# Altium PCB GL3520 4 Ports.PcbDoc (part 1 of 2)
Units mm, origin at the board's own origin, x right, y up, seen from the top; angles counter-clockwise.
Board outline 60 x 60 mm, 2 copper layers (Top Layer, Bottom Layer), stack 1.569 mm thick; 95 components, 85 nets, 418 pads, 185 vias.
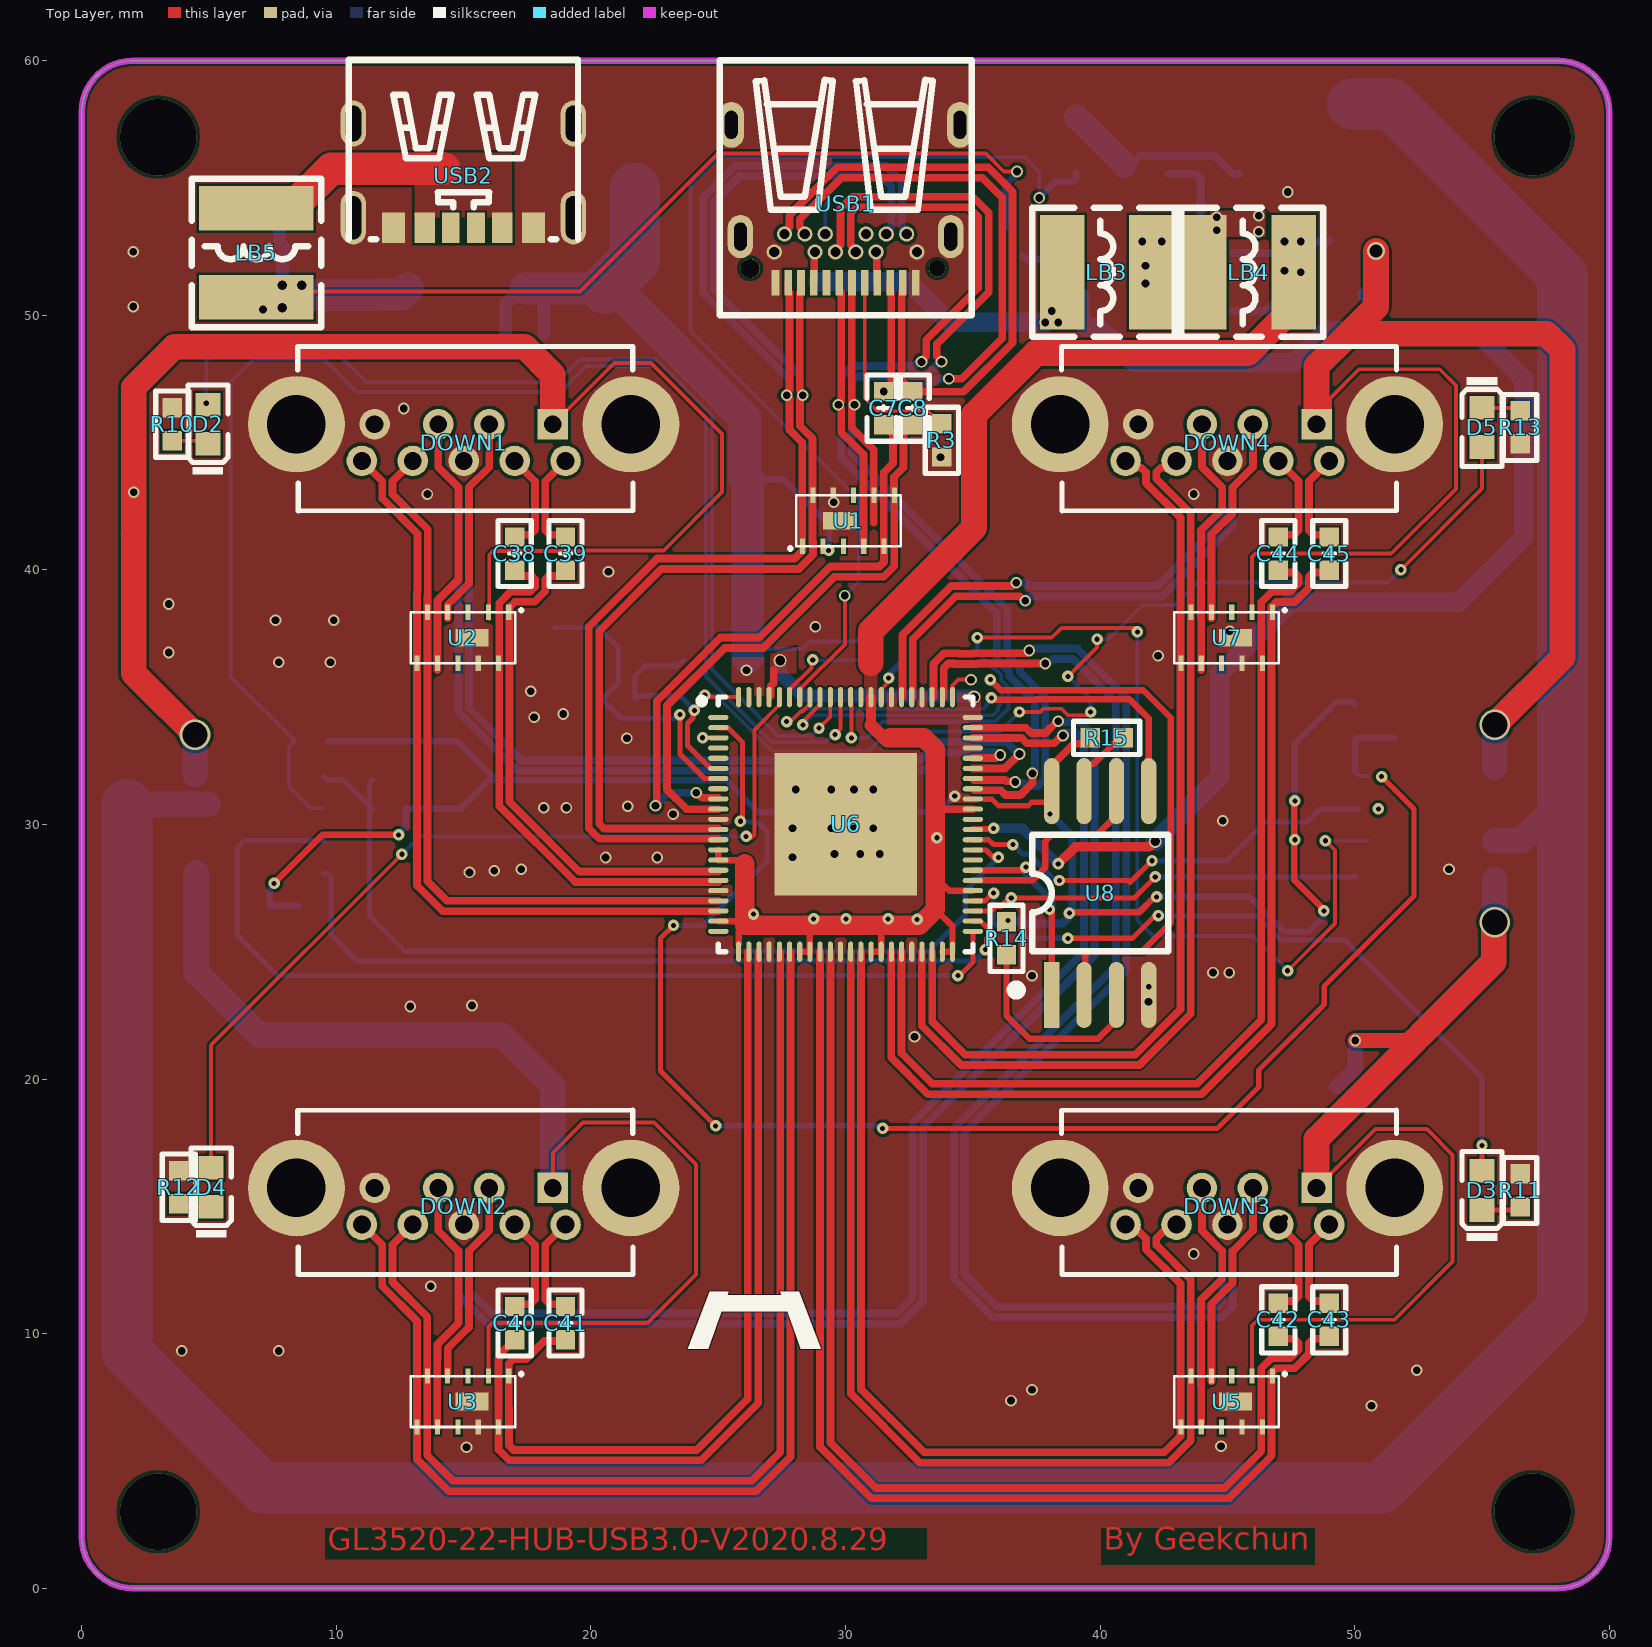
[diagram p0: Top Layer view]
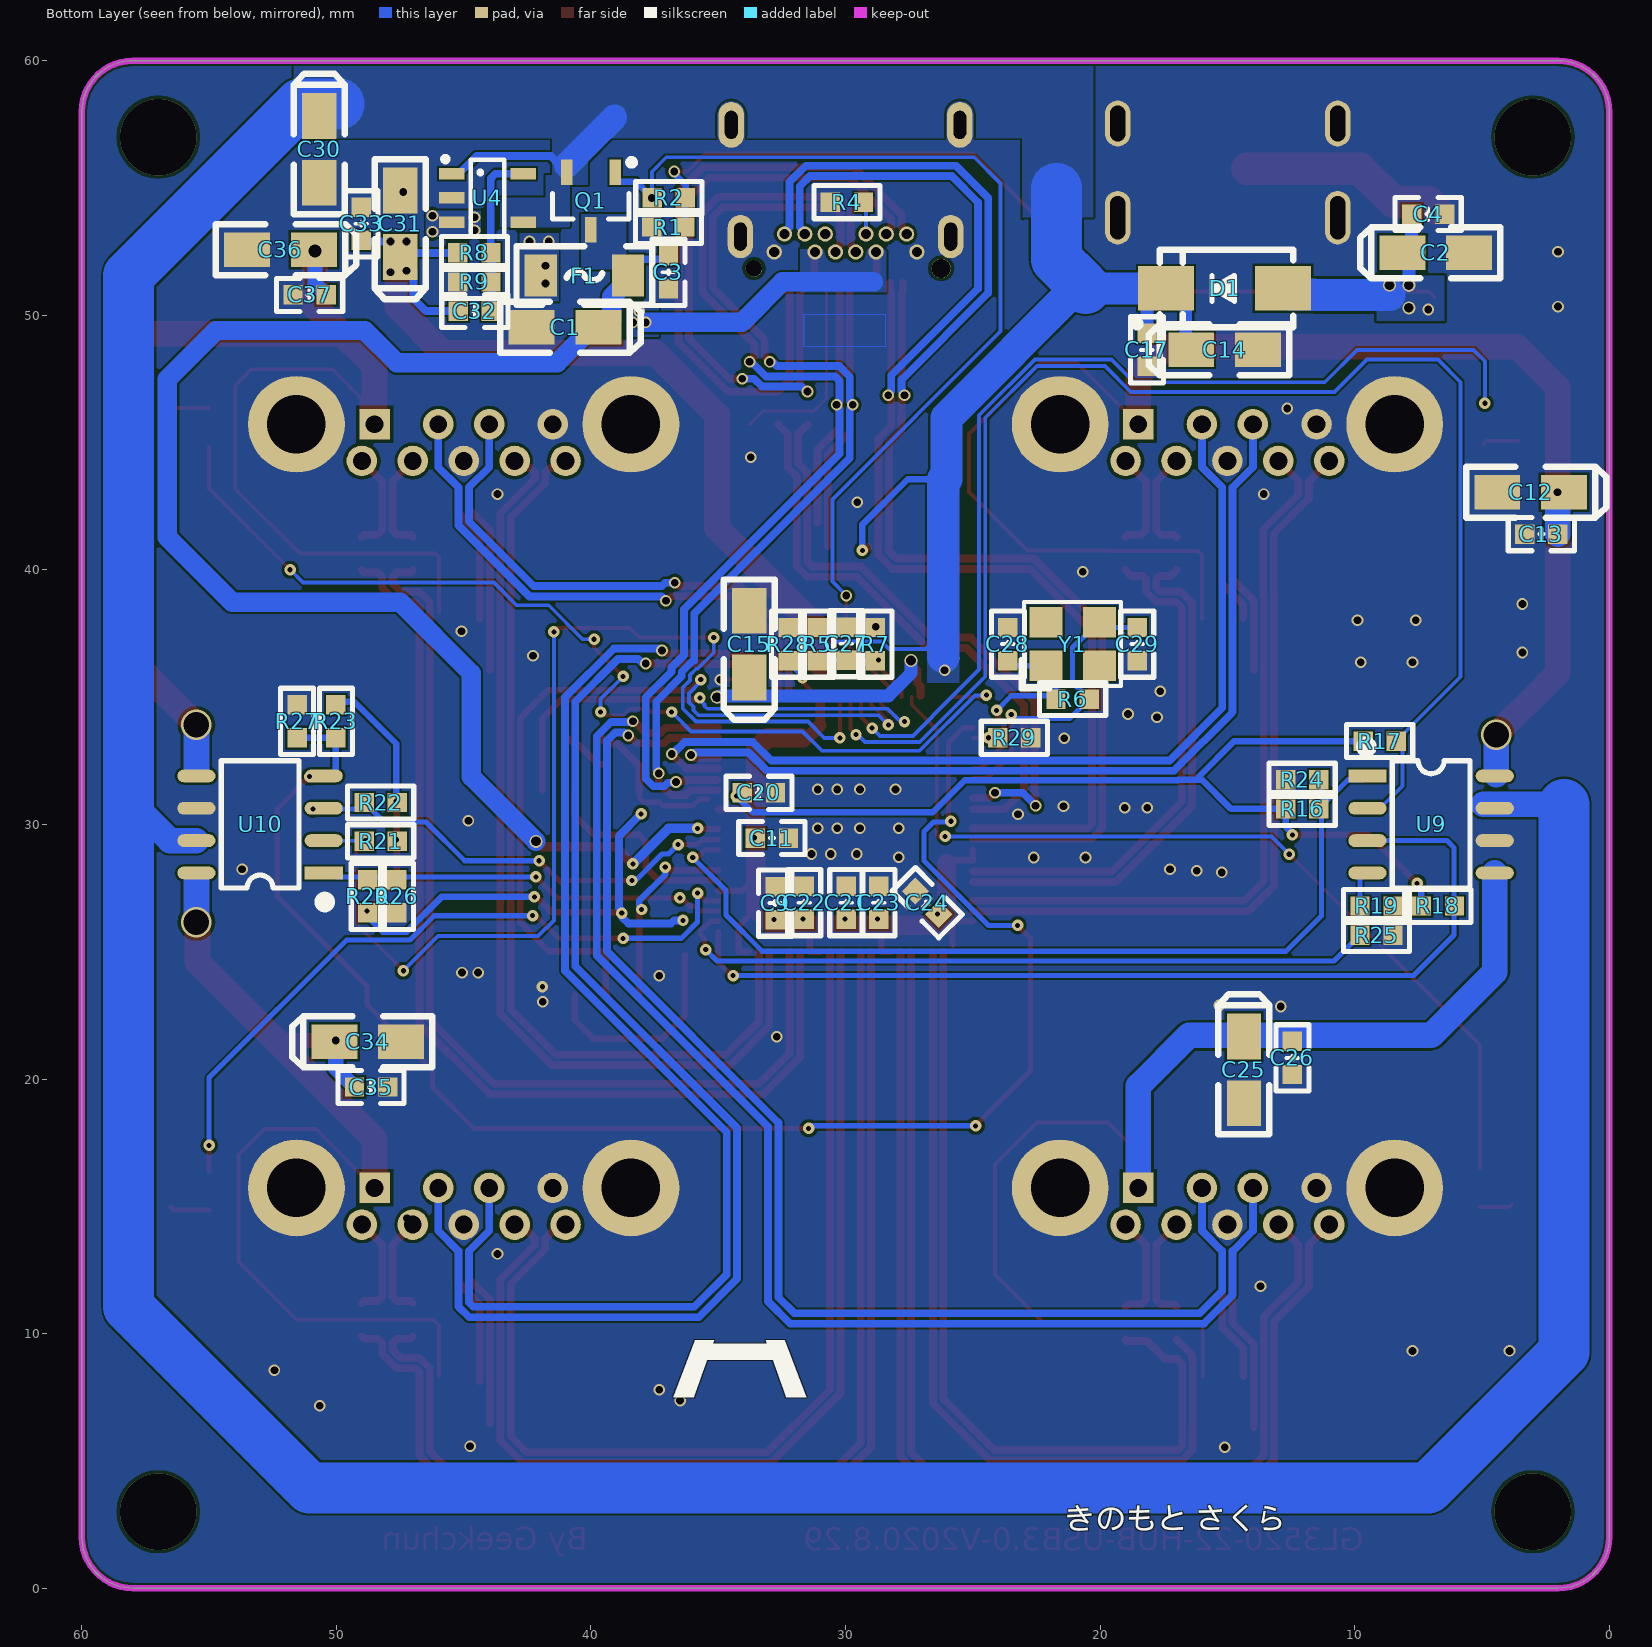
[diagram p1: Bottom Layer view, seen from below]
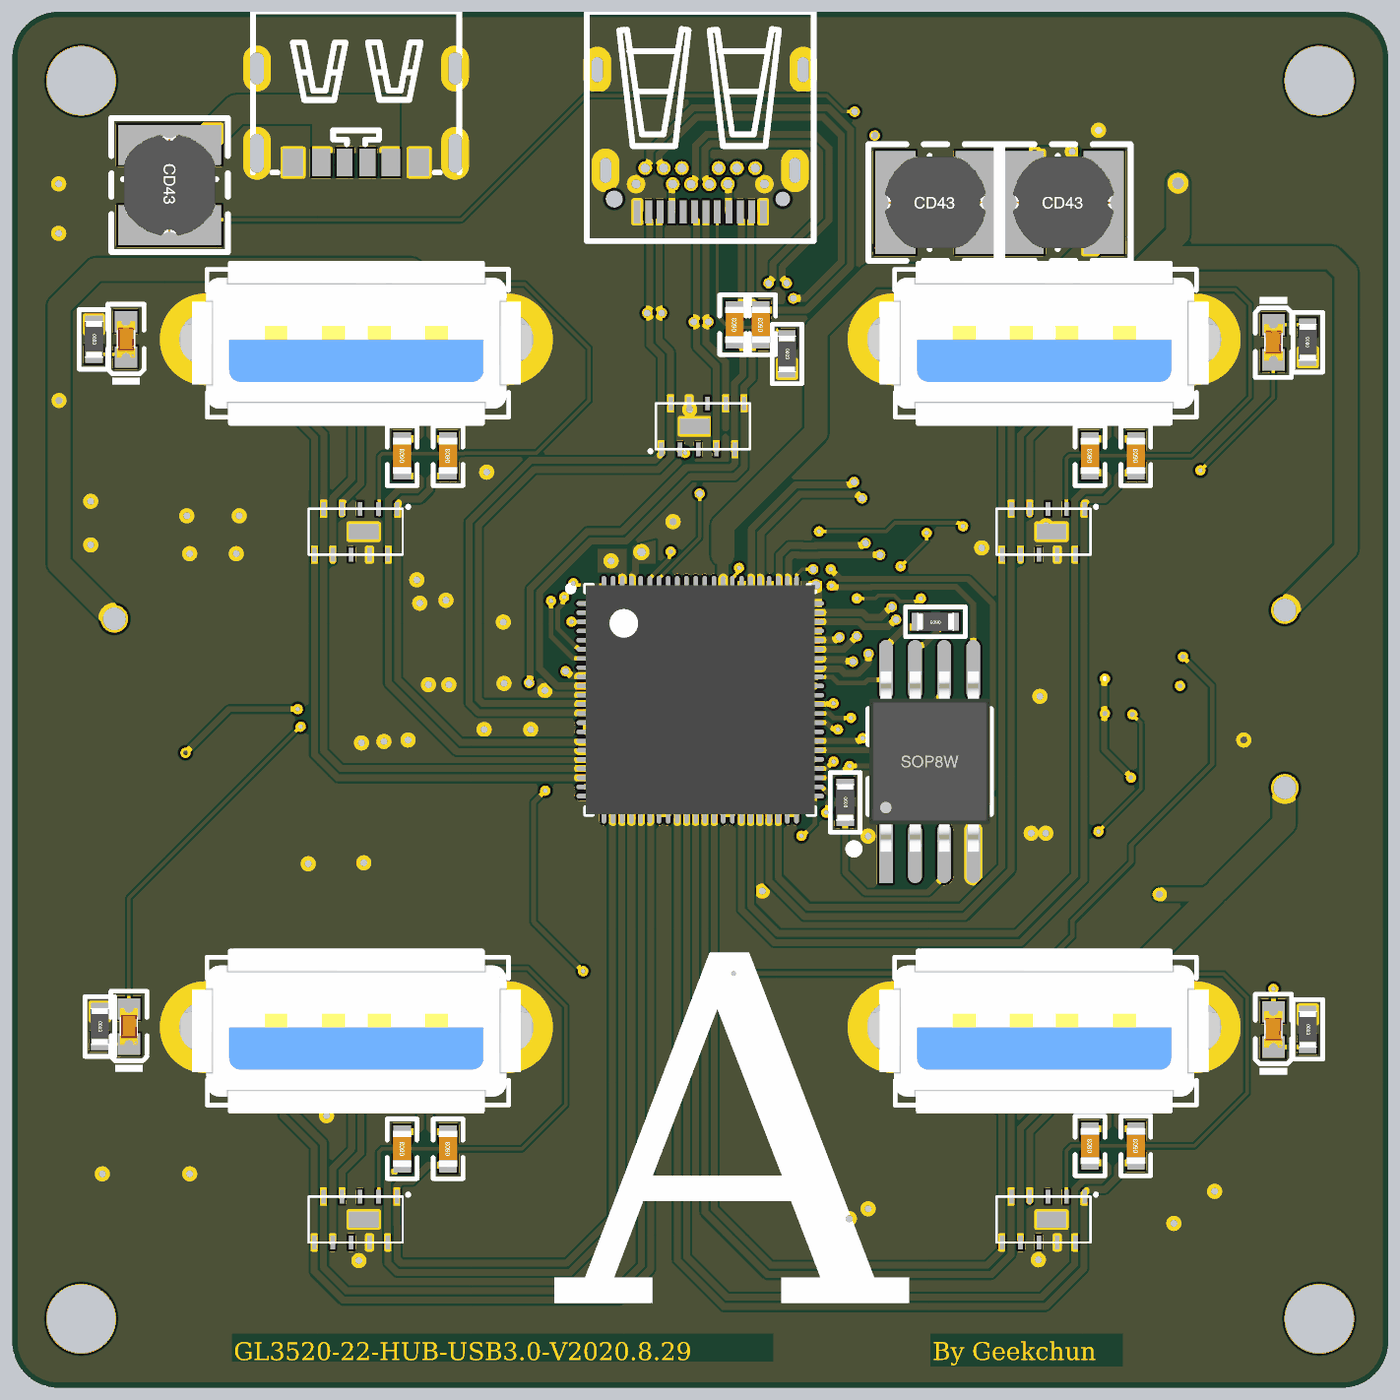
[diagram p3: 3D render of the assembled board from above, using the file's embedded part models]
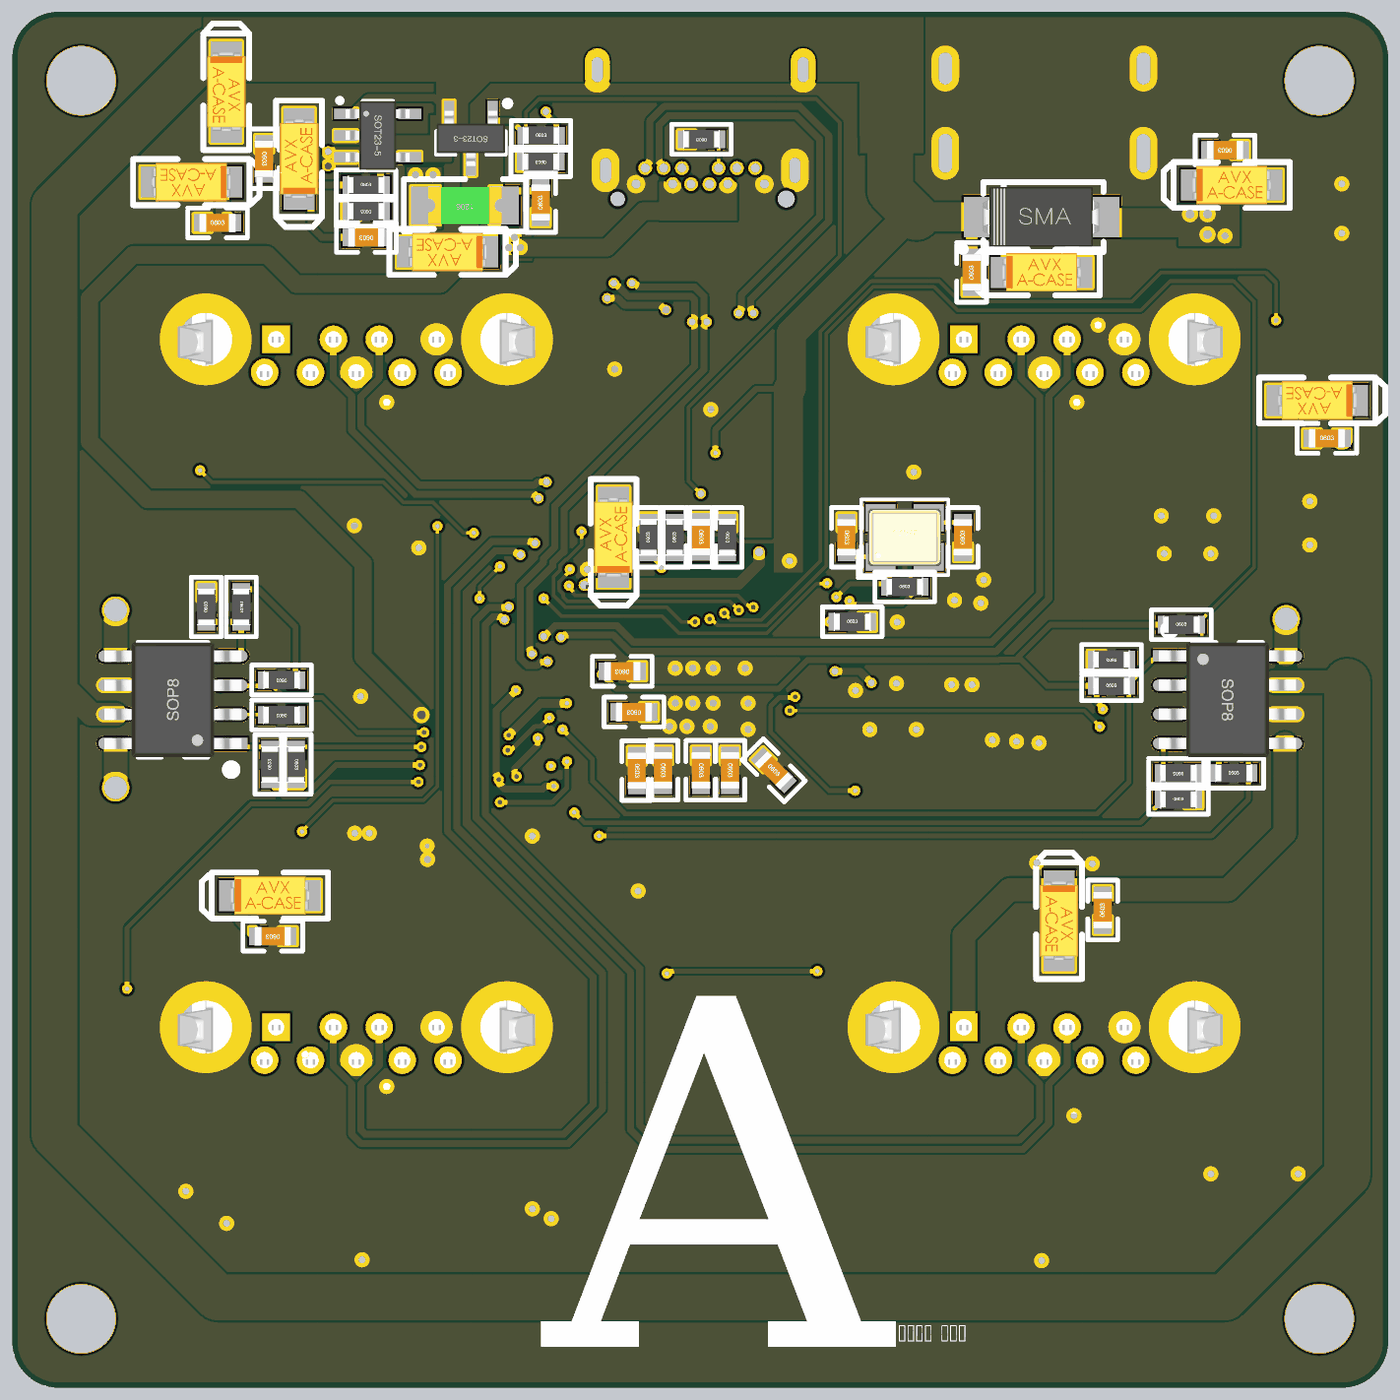
[diagram p4: 3D render of the assembled board from below, using the file's embedded part models]

## Layer stack, top to bottom
Top Solder: solder mask 0.0254, SM-001, Dk 4
Top Layer: signal copper 0.035
Dielectric 1: core 1.4986, Core-043, Dk 4.3
Bottom Layer: signal copper 0.035
Bottom Solder: solder mask 0.0254, SM-001, Dk 4

## Board outline
0,2 0,58 cw(c2,58) 2,60 58,60 cw(c58,58) 60,58 60,2 cw(c58,2) 58,0 2,0 cw(c2,2)

## Design rules (kind name [scope] priority, off if disabled: settings)
Clearance [All] p1: gap=0.089 ignorepadtopadclearanceinfootprint=TRUE except(0.127: Arc-THPad Arc-Via Track-THPad Track-Via SMDPad-THPad SMDPad-Via THPad-THPad THPad-Via THPad-Fill THPad-Poly THPad-Region THPad-Text THPad-Hole Via-Via Via-Fill Via-Poly Via-Region Via-Text Via-Hole)
DiffPairsRouting [All] p1: maxlimit=0.102 minlimit=0.102 mostfreqgap=0.102 toplayer_minwidth=0.152 toplayer_maxwidth=0.381 toplayer_prefwidth=0.305 bottomlayer_minwidth=0.152 bottomlayer_maxwidth=0.381 bottomlayer_prefwidth=0.305 maxuncoupledlength=12.7
PolygonConnect [All] p1: connectstyle=Direct reliefconductorwidth=0.254 reliefentries=4 polygonreliefangle="90 Angle" airgapwidth=0.254
RoutingVias [All] p1: holewidth=0.2 width=0.45 viastyle="Through Hole" minholewidth=0.2 minwidth=0.45 maxholewidth=0.711 maxwidth=1.27
SolderMaskExpansion [All] p1: expansion=0.102
Width [All] p1: maxlimit=3 minlimit=0.089 preferedwidth=0.152 minimp=50.000000 maximp=50.000000 favimp=50.000000
29 further rules are at their usual default settings.

## Classes and differential pairs
differential pair NewDifferentialPair20: +NetC45_2 -NetC44_2
differential pair NewDifferentialPair19: +NetC43_2 -NetC42_2
differential pair NewDifferentialPair18: +NetC41_2 -NetC40_2
differential pair NewDifferentialPair17: +NetC39_2 -NetC38_2
differential pair NewDifferentialPair16: +UP_RXP -UP_RXN
differential pair NewDifferentialPair15: +UP_TXP -UP_TXN
differential pair NewDifferentialPair14: +TX+ -TX-
differential pair NewDifferentialPair13: +UP_DP -UP_DN
differential pair NewDifferentialPair12: +DP4_TXP -DP4_TXN
differential pair NewDifferentialPair11: +DP4_RXP -DP4_RXN
differential pair NewDifferentialPair10: +DP4_DP -DP4_DN
differential pair NewDifferentialPair9: +DP3_TXP -DP3_TXN
differential pair NewDifferentialPair8: +DP3_RXP -DP3_RXN
differential pair NewDifferentialPair6: +DP2_TXP -DP2_TXN
differential pair NewDifferentialPair5: +DP2_RXP -DP2_RXN
differential pair NewDifferentialPair4: +DP2_DP -DP2_DN
differential pair NewDifferentialPair3: +DP1_TXP -DP1_TXN
differential pair NewDifferentialPair2: +DP1_RXP -DP1_RXN
differential pair NewDifferentialPair1: +DP1_DP -DP1_DN

## Components (designator, comment, footprint, x,y, rotation, side; value= is the part's Value field where it differs from the comment)
C1 "10uF" CASE-A_3216 41.021,49.53 r180 bottom
C2 "10uF" CASE-A_3216 6.818,52.451 r0 bottom
C3 "0.1uF" "C 0603_L" 36.957,51.689 r90 bottom
C4 "0.1uF" "C 0603_L" 7.112,53.975 r0 bottom
C7 "0.1uF" "C 0603_L" 31.496,46.355 r90 top
C8 "0.1uF" "C 0603_L" 32.639,46.355 r90 top
C9 "0.1uF" "C 0603_L" 32.766,26.909 r270 bottom
C11 "0.1uF" "C 0603_L" 32.893,29.464 r0 bottom
C12 "10uF" CASE-A_3216 3.088,43.053 r180 bottom
C13 "0.1uF" "C 0603_L" 2.667,41.402 r180 bottom
C14 "10uF" CASE-A_3216 15.113,48.641 r0 bottom
C15 "10uF" CASE-A_3216 33.782,37.084 r270 bottom
C17 "0.1uF" "C 0603_L" 18.161,48.641 r90 bottom
C20 "0.1uF" "C 0603_L" 33.401,31.242 r0 bottom
C21 "0.1uF" "C 0603_L" 29.972,26.924 r270 bottom
C22 "0.1uF" "C 0603_L" 31.623,26.924 r270 bottom
C23 "0.1uF" "C 0603_L" 28.702,26.924 r270 bottom
C24 "0.1uF" "C 0603_L" 26.797,26.924 r225 bottom
C25 "10uF" CASE-A_3216 14.351,20.36 r90 bottom
C26 "0.1uF" "C 0603_L" 12.446,20.828 r90 bottom
C27 "1uF" "C 0603_L" 29.972,37.099 r270 bottom
C28 "12pF" "C 0603_L" 23.622,37.084 r270 bottom
C29 "12pF" "C 0603_L" 18.542,37.084 r90 bottom
C30 "10uF" CASE-A_3216 50.673,56.515 r90 bottom
C31 "10uF" CASE-A_3216 47.498,53.594 r270 bottom
C32 "20pF" "C 0603_L" 44.562,50.165 r0 bottom
C33 "0.1uF" "C 0603_L" 49.022,53.594 r270 bottom
C34 "10uF" CASE-A_3216 48.768,21.463 r0 bottom
C35 "0.1uF" "C 0603_L" 48.641,19.685 r0 bottom
C36 "10uF" CASE-A_3216 52.197,52.578 r180 bottom
C37 "0.1uF" "C 0603_L" 51.054,50.8 r180 bottom
C38 "0.1uF" "C 0603_L" 17,40.64 r90 top
C39 "0.1uF" "C 0603_L" 19,40.64 r90 top
C40 "0.1uF" "C 0603_L" 17,10.414 r90 top
C41 "0.1uF" "C 0603_L" 19,10.414 r90 top
C42 "0.1uF" "C 0603_L" 47,10.541 r90 top
C43 "0.1uF" "C 0603_L" 49,10.541 r90 top
C44 "0.1uF" "C 0603_L" 47,40.64 r90 top
C45 "0.1uF" "C 0603_L" 49,40.64 r90 top
D1 "1N5822" SMA 15.113,51.054 r0 bottom
D2 "蓝灯 0603" 0603_LED_S1 4.953,45.72 r90 top
D3 "蓝灯 0603" 0603_LED_S1 55,15.621 r90 top
D4 "蓝灯 0603" 0603_LED_S1 5.08,15.748 r90 top
D5 "蓝灯 0603" 0603_LED_S1 55,45.593 r270 top
DOWN1 "USB3-A Device" "USB3.0-1 - duplicate" 15,45 r180 top
DOWN2 "USB3-A Device" "USB3.0-1 - duplicate" 15,15 r180 top
DOWN3 "USB3-A Device" "USB3.0-1 - duplicate" 45,15 r180 top
DOWN4 "USB3-A Device" "USB3.0-1 - duplicate" 45,45 r180 top
F1 "Fuse" "FU 1206" 40.259,51.562 r0 bottom
LB3 "10uH" CD43 40.259,51.689 r0 top
LB4 "10uH" CD43 45.847,51.689 r0 top
LB5 "10uH" CD43 6.858,52.451 r270 top
Q1 "AO3401A" SOT23-3L 40.005,54.483 r0 bottom
R1 "10K" "R 0603_L" 36.957,53.467 r0 bottom
R2 "10K" "R 0603_L" 36.942,54.61 r180 bottom
R3 "10K" "R 0603_L" 33.782,45.085 r270 top
R4 "10K" "R 0603_L" 29.945,54.444 r0 bottom
R5 "10K" "R 0603_L" 31.115,37.084 r90 bottom
R6 "1M" "R 0603_L" 21.082,34.925 r180 bottom
R7 "47K" "R 0603_L" 28.829,37.084 r270 bottom
R8 "100K" "R 0603_L" 44.577,52.451 r180 bottom
R9 "100K" "R 0603_L" 44.577,51.308 r0 bottom
R10 "2K" "R 0603_L" 3.556,45.72 r270 top
R11 "2K" "R 0603_L" 56.5,15.621 r270 top
R12 "2K" "R 0603_L" 3.81,15.748 r270 top
R13 "2K" "R 0603_L" 56.5,45.593 r90 top
R14 "10K" "R 0603_L" 36.322,25.527 r270 top
R15 "10K" "R 0603_L" 40.259,33.401 r180 top
R16 "100K" "R 0603_L" 12.065,30.607 r180 bottom
R17 "10K" "R 0603_L" 9.017,33.274 r180 bottom
R18 "10K" "R 0603_L" 6.731,26.797 r180 bottom
R19 "100K" "R 0603_L" 9.144,26.797 r0 bottom
R20 "100K" "R 0603_L" 48.768,27.178 r90 bottom
R21 "10K" "R 0603_L" 48.26,29.337 r0 bottom
R22 "10K" "R 0603_L" 48.26,30.861 r0 bottom
R23 "100K" "R 0603_L" 50.021,34.049 r270 bottom
R24 "100K" "R 0603_L" 12.065,31.75 r0 bottom
R25 "100K" "R 0603_L" 9.144,25.654 r180 bottom
R26 "100K" "R 0603_L" 47.625,27.178 r270 bottom
R27 "100K" "R 0603_L" 51.546,34.049 r90 bottom
R28 "100K" "R 0603_L" 32.258,37.084 r90 bottom
R29 "680R" "R 0603_L" 23.368,33.401 r180 bottom
U1 "AZ1065-06F" DFN4120P10E 32.085,41.256 r180 top
U2 "AZ1065-06F" DFN4120P10E 13,38 r0 top
U3 "AZ1065-06F" DFN4120P10E 13,8 r0 top
U4 "AUR9713" SOT23-5L 44.069,54.61 r270 bottom
U5 "AZ1065-06F" DFN4120P10E 43,8 r0 top
U6 "GL3520_QFN88_V094-1_22" QFN88 30,30 r0 top
U7 "AZ1065-06F" DFN4120P10E 43,38 r0 top
U8 "PM25LD512" SOP8W_M 40.005,27.305 r90 top
U9 "AIC1519N-0" SOP8_L 7,30 r180 bottom
U10 "AIC1519N-0" SOP8_L 53,30 r0 bottom
USB1 "Type-C" USB-C-SMD_U262-241N-4BV60 30,54.38 r180 top
USB2 "TYPE-C-6P" TYPE-C-SMD_TYPE-C-31-M-16 14.988,55.484 r180 top
Y1 "25MHZ" "OSC 3225-4P" 21.082,37.084 r180 bottom

## Footprints (in the part's own frame and the unit in brackets; to place one, negate y for a bottom-side part, rotate by r counter-clockwise, add the part's x,y. Pads: shape width x height; smd on the part's side, far side on the other; paste and mask are expansions set on the pad)
0603_LED_S1 [mm]
  rect 0.93x0.98 smd: A(0.77,0) K(-0.77,0)
  silkscreen extent -1.98,-0.79 1.54,0.79, body extent -0.8,-0.4 0.8,0.4, height 0.6
"C 0603_L" [mil] "无极性贴片电容"
  rect 30x30 smd: 1(-25.59,0) 2(25.59,0)
  silkscreen extent -51,-26 51,26, body extent -31,-16 31,16, height 32
CASE-A_3216 [mm]
  rect 1.8x1.35 smd: 1(1.31,0) 2(-1.31,0)
  silkscreen extent -2.54,-1 2.97,1, body extent -1.7,-0.84 1.7,0.84, height 1.71
CD43 [mm] "4.5*4*3.2mm（长宽高）"
  rect 1.75x4.5 smd: 1(-1.75,0) 2(1.75,0)
  silkscreen extent -2.92,-2.54 2.92,2.54, body extent -2.21,-2 2.21,2, height 3.3
DFN4120P10E [mm]
  rect 0.2x0.6 smd: 1(3.77,0.33) 2(2.97,0.33) 3(2.17,0.33) 4(1.37,0.33) 5(0.57,0.33) 6(0.17,-1.67) 7(0.97,-1.67) 8(1.77,-1.67) 9(2.57,-1.67) 10(3.37,-1.67)
  rect 1.3x0.7 smd: 11(2.32,-0.67)
  silkscreen extent -0.08,-1.67 4.26,0.42, body extent -0.07,-1.67 4.03,0.32, height 0.25
"FU 1206" [mil] "贴片保险丝"
  rect 50x65 smd: 1(-67.5,0) 2(67.5,0)
  silkscreen extent -105,-45 105,45, body extent -63,-32 63,32, height 34
"OSC 3225-4P" [mm] "3.2*2.5*0.7mm(长宽高)"
  rect 1.3x1.2 smd: 1(-1.05,-0.85) 2(1.05,-0.85) 3(1.05,0.85) 4(-1.05,0.85)
  silkscreen extent -2.03,-1.75 1.91,1.65, body extent -1.6,-1.25 1.6,1.25, height 0.7
QFN88 [mm] "PQFN, 88-Leads, Body 10.00x10.00mm, Pitch 0.40mm, Thermal Pad 5.60x5.60mm, IPC Medium Density"
  oval 0.8x0.2 smd: 1(-5,4.2) 2(-5,3.8) 3(-5,3.4) 4(-5,3) 5(-5,2.6) 6(-5,2.2) 7(-5,1.8) 8(-5,1.4) 9(-5,1) 10(-5,0.6) 11(-5,0.2) 12(-5,-0.2) 13(-5,-0.6) 14(-5,-1) 15(-5,-1.4) 16(-5,-1.8) 17(-5,-2.2) 18(-5,-2.6) 19(-5,-3) 20(-5,-3.4) 21(-5,-3.8) 22(-5,-4.2) 45(5,-4.2) 46(5,-3.8) 47(5,-3.4) 48(5,-3) 49(5,-2.6) 50(5,-2.2) 51(5,-1.8) 52(5,-1.4) 53(5,-1) 54(5,-0.6) 55(5,-0.2) 56(5,0.2) 57(5,0.6) 58(5,1) 59(5,1.4) 60(5,1.8) 61(5,2.2) 62(5,2.6) 63(5,3) 64(5,3.4) 65(5,3.8) 66(5,4.2)
  oval 0.2x0.8 smd: 23(-4.2,-5) 24(-3.8,-5) 25(-3.4,-5) 26(-3,-5) 27(-2.6,-5) 28(-2.2,-5) 29(-1.8,-5) 30(-1.4,-5) 31(-1,-5) 32(-0.6,-5) 33(-0.2,-5) 34(0.2,-5) 35(0.6,-5) 36(1,-5) 37(1.4,-5) 38(1.8,-5) 39(2.2,-5) 40(2.6,-5) 41(3,-5) 42(3.4,-5) 43(3.8,-5) 44(4.2,-5) 67(4.2,5) 68(3.8,5) 69(3.4,5) 70(3,5) 71(2.6,5) 72(2.2,5) 73(1.8,5) 74(1.4,5) 75(1,5) 76(0.6,5) 77(0.2,5) 78(-0.2,5) 79(-0.6,5) 80(-1,5) 81(-1.4,5) 82(-1.8,5) 83(-2.2,5) 84(-2.6,5) 85(-3,5) 86(-3.4,5) 87(-3.8,5) 88(-4.2,5)
  rect 5.6x5.6 smd: G1(0,0)
  silkscreen extent -5.77,-5 5,5, body extent -5,-5 5,5, height 1
"R 0603_L" [mil] "1/10W贴片电阻"
  rect 30x30 smd: 1(-25.59,0) 2(25.59,0)
  silkscreen extent -51,-26 51,26, body extent -31,-16 31,16, height 16
SMA [mm] "4.5x2.6*2.2mm（长宽高，不包括引脚）"
  rect 2.2x1.75 smd: 1(-2.3,0) 2(2.3,0)
  silkscreen extent -2.7,-1.52 3.56,1.52, body extent -2.52,-1.3 2.57,1.3, height 2.15
SOP8_L [mm] "5*6*1.8mm（长宽高）"
  rect 1.5x0.5 smd: 1(-2.5,1.905)
  oval 1.5x0.5 smd: 2(-2.5,0.635) 3(-2.5,-0.635) 4(-2.5,-1.905) 5(2.5,-1.905) 6(2.5,-0.635) 7(2.5,0.635) 8(2.5,1.905)
  silkscreen extent -2.69,-2.5 1.52,3.2, body extent -3,-2.5 3,2.5, height 1.9
SOP8W_M [mm] "5.3*8.3*1.8mm（长宽高）"
  rect 2.6x0.6 smd: 1(-4,1.905)
  oval 2.6x0.6 smd: 2(-4,0.635) 3(-4,-0.635) 4(-4,-1.905) 5(4,-1.905) 6(4,-0.635) 7(4,0.635) 8(4,1.905)
  silkscreen extent -3.94,-2.67 2.29,3.43, body extent -3.94,-2.64 3.94,2.64, height 1.9
SOT23-3L [mm] "3x1.3x1mm(长宽高)"
  rect 0.45x1 smd: 1(-0.95,-1.143) 2(0.95,-1.143) 3(0,1.125)
  silkscreen extent -1.72,-1.65 1.5,0.7, body extent -1.5,-1.2 1.5,1.2, height 1.05
SOT23-5L [mm] "3x1.6x1.1mm(长宽高)"
  rect 0.45x1 smd: 1(-0.95,-1.4) 2(0,-1.4) 3(0.95,-1.4) 4(0.95,1.4) 5(-0.95,1.4)
  silkscreen extent -1.6,-1.73 1.5,0.66, body extent -1.5,-1.4 1.5,1.4, height 1.15
TYPE-C-SMD_TYPE-C-31-M-16 [mm]
  oval 1x2.099 hole 0.6 slot 1.7 at 90 deg: 1(-4.32,1.65) 2(4.32,1.65)
  oval 1x1.799 hole 0.6 slot 1.4 at 90 deg: 3(-4.32,-2.05) 4(4.32,-2.05)
  rect 0.7x1.2 smd: A5(-0.5,2.05) B5(0.5,2.05)
  rect 0.8x1.2 smd: A9(1.52,2.05) B9(-1.52,2.05)
  rect 0.9x1.2 smd: A12(2.75,2.05) B12(-2.75,2.05)
  silkscreen extent -4.5,-4.55 4.5,2.49
"USB3.0-1 - duplicate" [mm] "Connector; USB1.1, Type A, Thru-Hole; 4 Position; Vertical"
  rect 1.2x1.2 hole 0.7: 1(-3.5,-0.72)
  round 1.2 hole 0.7: 2(-1,-0.72) 3(1,-0.72) 4(3.5,-0.72) 5(4,0.72) 6(2,0.72) 7(0,0.72) 8(-2,0.72) 9(-4,0.72)
  round 3.8 hole 2.3: G1(-6.57,-0.72) G2(6.57,-0.72)
  silkscreen extent -6.64,-3.77 6.52,2.68, body extent -7.8,-4.15 7.8,3.05, height 15
USB-C-SMD_U262-241N-4BV60 [mm]
  oval 1x1.699 hole 0.5 slot 1.1 at 90 deg: 1(-4.13,1.29) 4(4.13,1.29)
  oval 1x1.799 hole 0.5 slot 1.1 at 90 deg: 2(-4.49,-3.1) 3(4.49,-3.1)
  rect 0.3x1 smd: A1(-2.75,3.1) A2(-2.25,3.1) A3(-1.75,3.1) A4(-1.25,3.1) A5(-0.75,3.1) A6(-0.25,3.1) A7(0.25,3.1) A8(0.75,3.1) A9(1.25,3.1) A10(1.75,3.1) A11(2.25,3.1) A12(2.75,3.1)
  round 0.6 hole 0.4: B1(2.8,1.89) B2(2.4,1.19) B3(1.6,1.19) B4(1.2,1.89) B5(0.8,1.19) B6(0.4,1.89) B7(-0.4,1.89) B8(-0.8,1.19) B9(-1.2,1.89) B10(-1.6,1.19) B11(-2.4,1.19) B12(-2.8,1.89)
  round 0.65 hole 0.65 unplated: ""(-3.6,2.54)
  round 0.75 hole 0.75 unplated: ""(3.75,2.54)
  silkscreen extent -4.95,-5.63 4.95,4.37

## Part data
C1 C2 C14 C15: library part "3216 10uF (106) 10% 16V", "钽电容1206", Package=3216, SuppliersPartNumber=C7171, ComponentLink1Description=供应, ComponentLink1URL=http://www.szlcsc.com/product/details_7643.html, Supplier=LC
C3 C4 C7 C8 C9 C11 C13 C17 C20 C21 C22 C23 C24 C26 C27 C28 C29 C32 C33 C35 C37 C38 C39 C40 C41 C42 C43 C44 C45: library part "0603 2.2uF (225) 10% 16V", "贴片电容", Package=0603, SuppliersPartNumber=C23630, ComponentLink1Description=供应, ComponentLink1URL=http://www.szlcsc.com/product/details_24366.html, Supplier=LC
C12 C25 C30 C31 C34 C36: library part "3216 10uF (106) 10% 16V", "钽电容", Package=3216, SuppliersPartNumber=C7171, ComponentLink1Description=供应, ComponentLink1URL=http://www.szlcsc.com/product/details_7643.html, Supplier=LC
D1: library part "Diode 1N5400", "3 Amp General Purpose Rectifier", ComponentLink1Description="Manufacturer Link", ComponentLink1URL=http://www.fairchildsemi.com/, ComponentLink2Description=Datasheet, ComponentLink2URL=http://www.fairchildsemi.com/ds/1N%2F1N5400.pdf, DatasheetVersion=1998, LatestRevisionDate=17-Jul-2002, LatestRevisionNote="Re-released for DXP Platform.", PackageDescription="Diode, Axial; Body 9.5 x 5.6 mm (LxDia. max), Lead Dia. 1.32 mm (max)", PackageReference=DO-201AD, PackageVersion=Aug-1999, Published=8-Jun-2000, Publisher="Altium Limited"
D2 D3 D4 D5: library part "0603 蓝灯", "发光二极管", Package=0603, SuppliersPartNumber=C72041, ComponentLink1Description=供应, ComponentLink1URL=http://www.szlcsc.com/product/details_73150.html, Supplier=LC
DOWN1 DOWN2 DOWN3 DOWN4: library part USB3-A_5, PCB Footprint=CND-USB3A-A
F1: Manufacturer="TE Connectivity", PartNumber=NANOSMDC020F-2, Supplier Part Number 1=NANOSMDC020F-2CT-ND, ComponentLink1Description="Datasheet URL", ComponentLink1URL=http://www.te.com/commerce/DocumentDelivery/DDEController?Action=srchrtrv&DocNm=SCD25536&DocType=Customer+Drawing&DocLang=English, CompType=Fuse, LatestRevisionDate=2015-11-23, MountType=SMT, PackageReference=1206, Published=2009-03-05, Publisher="Texas Instruments", ROHS=Y, Rtyp_Ohm=1.875, Supplier 1=Digi-Key, Supplier 2=Mouser, Supplier 3=Farnell, Supplier Part Number 2=650-NANOSMDC020F-2, Supplier Part Number 3=1345939, SymbolCreator=a0412235, SymbolVersion=2013-04-02, VDC_V=24
LB3 LB4 LB5: library part L-0603, PCB Footprint=LBS-0603
Q1: library part CMP-2000-05778-1, "P-Channel MOSFET, 30 V, 4 A, -55 to 150 degC, 3-Pin SOT-23-3L, RoHS, Tape and Reel", Continuous Drain Current=4A, Drain-Source On-Volt=30V, Frequency (Max)=NotRequiredMHz, Gate-Source Voltage (Max)=?12V, Manufacturer="Alpha and Omega", Operating Temp Range=-55Cto150C, Operating Temperature Classification=Military, Output Power (Max)=NotRequiredW, Package Description="3-Pin Small Outline Transistor, Body 2.95 x 1.6 mm, Pitch 0.95 mm", Package Reference=SOT-23-3L, Package Type=SOT-23, Power Dissipation=1.4W, Power Gain=NotRequireddB, Channel Mode=Enhancement, Datasheet URL=http://www.aosmd.com/res/data_sheets/AO3401A.pdf, Datasheet Version="Rev. 3, 03/2011", Drain Current (Max)=4A, Drain Efficiency=NotRequired%, Drain-Source On-Res=0.044ohm, Manufacturer URL=http://www.aosmd.com/, Mounting=SurfaceMount, Mounting Technology=SurfaceMount, Noise Figure=NotRequireddB, Number of  Elements=1, Package URL=http://www.aosmd.com/res/packaging_information/SOT-23-3L.pdf, Pin Count=3, Polarity=P, Rad Hardened=No, Type=PowerMOSFET
R1 R2 R3 R4 R5 R6 R7 R8 R9 R10 R11 R12 R13 R14 R15 R16 R17 R18 R19 R20 R21 R22 R23 R24 R25 R26 R27 R28 R29: library part RES
U1 U2 U3 U5 U7: "晶炎AZ1065-06F.R7G DFN4120 丝印119 ESD/TVS静电保护二极管"
U4: library part AUR9705_3, PCB Footprint=I-TSOT23-5P-2_9x1_6x0_95A
U8: library part CAT25C128/256, PCB Footprint=I-SOP8-1_27A
U9 U10: library part AIC1526-SOP, PCB Footprint=I-SOP8-1_27A
USB2: library part TYPE-C-31-M-17, "Connector", Manufacturer_Name="Korean Hroparts Elec", Arrow Part Number=TYPE-C-31-M-17, Datasheet Link=https://datasheet.lcsc.com/szlcsc/1903211732_Korean-Hroparts-Elec-TYPE-C-31-M-17_C283540.pdf, HEIGHT=3.26mm, Manufacturer_Part_Number=TYPE-C-31-M-17
Y1: library part "SMD-3225_4P  25MHZ 12PF 10PPM", "贴片晶振", Package=SMD-3225_4P, SuppliersPartNumber=C9006, ComponentLink1Description=供应, ComponentLink1URL=http://www.szlcsc.com/product/details_9526.html, Supplier=LC

## Via types
v1: diameter 0.457, hole 0.305, Top Layer to Bottom Layer, 105 vias
v2: diameter 0.45, hole 0.2, Top Layer to Bottom Layer, 65 vias
v3: diameter 0.508, hole 0.381, Top Layer to Bottom Layer, 6 vias
v4: diameter 3, hole 3, Top Layer to Bottom Layer, 4 vias
v5: diameter 1.2, hole 1, Top Layer to Bottom Layer, 3 vias
v6: diameter 0.7, hole 0.5, Top Layer to Bottom Layer, 1 vias
v7: diameter 0.45, hole 0.3, Top Layer to Bottom Layer, 1 vias

## Nets (pads, with @x,y where several pads share a name; then routed paths per layer and width w, separated by ;. In a path a pad name is that pad's centre, name@x,y a point inside that pad or via, vN(x,y) a via of type N, cw(c..) or ccw(c..) an arc to the next point about the centre after c; other vN are vias at no path point)
CC1: R3.1 USB1.A5 | length 8
  Top Layer w0.127: USB1.A5@30.75,51.28 30.75,46.73 31.242,46.238 33.248,46.238 R3.1@33.767,45.72
CC2: R4.1 USB1.B5 | length 1.3
  Bottom Layer w0.152: USB1.B5@29.2,53.19 29.2,54.349 R4.1@29.295,54.444
DP1_DN: DOWN1.2 U2.4 U6.61 | length 44.8
  Top Layer w0.305: U2.4@14.376,38.1 14.376,38.626 15.203,39.453 15.203,43.24 16,44.036 DOWN1.2@16,45.72 ; U6.61@35,32.2 35,32.194 35.168,32.194 35.175,32.2 36.264,32.2 v1(36.83,32.766)
  Bottom Layer w0.305: DOWN1.2@16,45.72 16,44.036 15.203,43.24 15.203,34.581 17.272,32.512 32.921,32.512 33.643,33.234 36.328,33.234 36.796,32.766 v1(36.83,32.766)
DP1_DP: DOWN1.3 U2.7 U6.62 | length 45.7
  Top Layer w0.305: U2.7@13.97,36.068 13.97,38.795 14.797,39.622 14.797,43.24 14,44.036 DOWN1.3@14,45.72 ; U6.62@35,32.606 U6.62@35,32.6 35.006,32.606 35.911,32.606 36.03,32.726 v1(36.072,32.726)
  Bottom Layer w0.305: DOWN1.3@14,45.72 14,44.036 14.797,43.24 14.797,34.412 17.104,32.106 33.089,32.106 33.811,32.828 35.929,32.828 36.03,32.726 v1(36.072,32.726)
DP1_RXN: DOWN1.5 U2.6 U6.20 | length 29.8
  Top Layer w0.305: DOWN1.5@11,44.28 11.797,43.483 11.797,42.807 13.183,41.421 13.183,39.139 13.17,39.126 U2.6@13.17,36.33 13.17,27.597 14.173,26.594 U6.20@25,26.594
DP1_RXP: DOWN1.6 U2.5 U6.19 | length 29.2
  Top Layer w0.305: DOWN1.6@13,44.28 12.203,43.483 12.203,42.975 13.589,41.589 13.589,38.971 13.576,38.958 13.576,38.33 13.576,27.765 14.342,27 U6.19@25,27
DP1_TXN: C38.1 U2.10 U6.17 | length 20.7
  Top Layer w0.305: C38.1@17,39.99 17.229,39.761 17.66,39.761 17.797,39.625 17.797,39.33 17.618,39.152 16.851,39.152 16.391,38.693 16.391,36.33 16.391,30.726 19.376,27.741 U6.17@25,27.741
DP1_TXP: C39.1 U2.1 U6.16 | length 20.1
  Top Layer w0.305: C39.1@19,39.99 18.771,39.761 18.34,39.761 18.203,39.625 18.203,39.162 17.787,38.745 17.019,38.745 16.798,38.524 16.798,38.33 16.798,30.894 19.544,28.148 U6.16@25,28.148
DP2_DN: DOWN2.2 U3.4 U6.64 | length 59.9
  Top Layer w0.305: U3.4@14.37,8.33 14.376,8.336 14.376,9.416 15.203,10.243 15.203,13.24 16,14.036 DOWN2.2@16,15.72 ; U6.64@35,33.4 36.914,33.4 37.122,33.192 38.196,33.192 38.5,33.496 v1(38.541,33.496)
  Bottom Layer w0.305: DOWN2.2@16,15.72 16,14.036 15.203,13.24 15.203,11.684 16.092,10.795 32.004,10.795 32.639,11.43 32.639,18.288 39.37,25.019 39.37,33.293 39.049,33.614 38.7,33.614 38.583,33.496 v1(38.541,33.496)
DP2_DP: DOWN2.3 U3.7 U6.65 | length 64
  Top Layer w0.305: U3.7@13.97,6.33 13.964,6.336 13.964,9.011 13.97,9.017 13.97,9.585 14.797,10.412 14.797,13.24 14,14.036 DOWN2.3@14,15.72 ; U6.65@35,33.8 37.08,33.8 37.288,33.592 37.856,33.592 38.313,34.049 v1(38.354,34.049)
  Bottom Layer w0.305: DOWN2.3@14,15.72 14,14.036 14.797,13.24 14.797,11.516 15.924,10.389 32.172,10.389 33.045,11.262 33.045,18.12 39.776,24.851 39.776,33.461 39.218,34.02 38.383,34.02 v1(38.354,34.049)
DP2_RXN: DOWN2.5 U3.6 U6.28 | length 45.7
  Top Layer w0.305: DOWN2.5@11,14.28 11.797,13.483 11.797,11.859 13.164,10.492 13.164,6.33 13.164,5.058 14.411,3.81 26.483,3.81 27.838,5.166 U6.28@27.838,25
DP2_RXP: DOWN2.6 U3.5 U6.27 | length 44.4
  Top Layer w0.305: DOWN2.6@13,14.28 12.203,13.483 12.203,12.027 13.57,10.66 13.57,8.33 13.57,5.226 14.58,4.216 26.314,4.216 27.432,5.334 U6.27@27.432,25
DP2_TXN: C40.1 U3.10 U6.25 | length 33.6
  Top Layer w0.305: C40.1@17,9.764 16.402,9.166 16.402,9.036 16.364,8.998 16.364,6.336 U3.10@16.37,6.33 16.37,5.438 16.787,5.021 24.325,5.021 26.568,7.264 U6.25@26.568,25
DP2_TXP: C41.1 U3.1 U6.24 | length 33.7
  Top Layer w0.305: C41.1@19,9.764 18.943,9.707 18.162,9.707 17.453,8.998 16.949,8.998 16.77,8.819 U3.1@16.77,8.33 16.77,7.096 16.776,7.089 16.776,5.606 16.955,5.428 24.157,5.428 26.162,7.433 U6.24@26.162,25
DP3_DN: DOWN3.2 U5.4 U6.68 | length 59.1
  Top Layer w0.305: U6.68@33.859,35 33.859,36.143 34.037,36.322 34.272,36.322 34.294,36.3 35.175,36.3 35.197,36.322 v1(37.846,36.322) ; U5.4@44.37,8.128 44.37,11.156 45.203,11.989 45.203,13.24 46,14.036 DOWN3.2@46,15.72
  Bottom Layer w0.305: v1(37.846,36.322) 37.875,36.351 37.996,36.351 38.144,36.5 38.938,36.5 40.615,34.823 40.615,24.425 34.265,18.075 34.265,12.151 35.773,10.643 44.787,10.643 45.203,11.059 45.203,13.24 46,14.036 DOWN3.2@46,15.72
DP3_DP: DOWN3.3 U5.7 U6.69 | length 60.7
  Top Layer w0.305: U6.69@33.452,35 33.452,36.312 33.869,36.728 34.44,36.728 34.462,36.707 35.007,36.707 35.029,36.728 37.068,36.728 37.17,36.83 v1(37.211,36.83) ; U5.7@43.97,6.478 43.97,7.953 43.964,7.96 43.964,8.296 43.964,11.325 44.797,12.158 44.797,13.24 44,14.036 DOWN3.3@44,15.72
  Bottom Layer w0.305: v1(37.211,36.83) 37.252,36.83 37.328,36.906 39.107,36.906 41.021,34.992 41.021,24.257 34.671,17.907 34.671,12.319 35.941,11.049 44.618,11.049 44.797,11.228 44.797,13.24 44,14.036 DOWN3.3@44,15.72
DP3_RXN: DOWN3.5 U5.6 U6.35 | length 40.4
  Top Layer w0.305: U6.35@30.607,25 30.607,7.814 33.087,5.334 42.52,5.334 43.155,5.969 43.155,6.33 43.155,11.957 41.797,13.315 41.797,13.736 41.618,13.914 41.608,13.914 41.242,14.28 DOWN3.5@41,14.28
DP3_RXP: DOWN3.6 U5.5 U6.34 | length 41.7
  Top Layer w0.305: U6.34@30.2,25 30.201,7.645 32.918,4.928 42.688,4.928 43.561,5.801 43.561,8.33 43.561,12.125 42.203,13.483 42.203,13.736 42.382,13.914 42.392,13.914 42.758,14.28 DOWN3.6@43,14.28
DP3_TXN: C42.1 U5.10 U6.32 | length 43.7
  Top Layer w0.305: U6.32@29.406,25 29.406,5.712 31.182,3.937 44.891,3.937 46.33,5.375 46.33,6.33 46.33,8.631 46.741,9.042 47.471,9.042 47.797,9.368 47.797,9.621 47.618,9.799 47.092,9.799 C42.1@47,9.891
DP3_TXP: C43.1 U5.1 U6.31 | length 45.1
  Top Layer w0.305: U6.31@29,25 29,5.544 31.013,3.531 45.06,3.531 46.736,5.207 46.736,8.457 46.77,8.491 46.915,8.636 47.639,8.636 48.203,9.2 48.203,9.621 48.382,9.799 48.909,9.799 C43.1@49,9.891
DP4_DN: DOWN4.2 U6.71 U7.4 | length 29.4
  Top Layer w0.305: U6.71@32.639,35 32.639,37.271 34.331,38.964 36.841,38.964 37.016,38.789 v1(37.057,38.789) ; U7.4@44.37,38.1 U7.4@44.37,38.33 44.37,41.382 45.203,42.215 45.203,43.24 46,44.036 DOWN4.2@46,45.72
  Bottom Layer w0.305: v1(37.057,38.789) 37.224,38.956 42.417,38.956 45.203,41.742 45.203,43.24 46,44.036 DOWN4.2@46,45.72
DP4_DP: DOWN4.3 U6.72 U7.7 | length 31.4
  Top Layer w0.305: U6.72@32.233,35 32.233,37.44 34.163,39.37 36.537,39.37 36.664,39.497 v1(36.706,39.497) ; U7.7@43.97,36.068 U7.7@43.97,36.33 43.97,38.155 43.964,38.162 43.964,41.551 44.797,42.384 44.797,43.24 44,44.036 DOWN4.3@44,45.72
  Bottom Layer w0.305: v1(36.706,39.497) 37.089,39.497 37.224,39.362 42.249,39.362 44.797,41.91 44.797,43.24 44,44.036 DOWN4.3@44,45.72
DP4_RXN: DOWN4.5 U6.42 U7.6 | length 36.4
  Top Layer w0.305: U6.42@33.4,25 33.401,22.259 34.705,20.955 41.377,20.955 43.155,22.733 43.155,36.33 43.155,42.056 41.797,43.413 41.797,43.834 41.618,44.013 41.509,44.013 41.242,44.28 DOWN4.5@41,44.28
DP4_RXP: DOWN4.6 U6.41 U7.5 | length 37.8
  Top Layer w0.305: U6.41@32.995,25 32.995,22.09 34.536,20.549 41.545,20.549 43.561,22.565 43.561,38.33 43.561,42.224 42.203,43.582 42.203,43.834 42.382,44.013 42.49,44.013 42.758,44.28 DOWN4.6@43,44.28
DP4_TXN: C44.1 U6.39 U7.10 | length 39
  Top Layer w0.305: U6.39@32.2,25 32.2,21.013 33.401,19.812 43.815,19.812 46.33,22.327 46.33,36.33 46.33,38.725 46.746,39.141 47.471,39.141 47.797,39.467 47.797,39.72 47.618,39.898 47.092,39.898 C44.1@47,39.99
DP4_TXP: C45.1 U6.38 U7.1 | length 40.3
  Top Layer w0.305: U6.38@31.794,25 31.794,20.845 33.233,19.406 43.983,19.406 46.736,22.158 46.736,38.33 46.736,38.556 46.915,38.735 47.639,38.735 48.203,39.299 48.203,39.72 48.382,39.898 48.909,39.898 C45.1@49,39.99
GND: C1.2 C2.2 C3.1 C4.1 C9.1 C11.1 C12.2 C13.1 C14.2 C15.2 C17.1 C20.1 C21.1 C22.1 C23.1 C24.1 C25.2 C26.1 C27.1 C28.1 C29.1 C30.2 C31.2 C33.1 C34.2 C35.1 C36.2 C37.1 DOWN1.4 DOWN1.7 DOWN1.G1 DOWN1.G2 DOWN2.4 DOWN2.7 DOWN2.G1 DOWN2.G2 DOWN3.4 DOWN3.7 DOWN3.G1 DOWN3.G2 DOWN4.4 DOWN4.7 DOWN4.G1 DOWN4.G2 R1.2 R3.2 R4.2 R7.1 R9.2 R10.1 R11.1 R12.1 R13.1 R24.2 R25.2 R26.2 R27.2 R28.2 R29.2 U1.9 U1.11 U2.9 U2.11 U3.9 U3.11 U4.2 U5.9 U5.11 U6.11 U6.18 U6.26 U6.33 U6.40 U6.67 U6.G1 U7.9 U7.11 U8.4 U9.6 U10.6 USB1.1 USB1.2 USB1.3 USB1.4 USB1.A1 USB1.A12 USB1.B1 USB1.B12 USB2.1 USB2.2 USB2.3 USB2.4 USB2.A12 USB2.B12 | length 1.3
  Top Layer w0.152: U6.67@34.2,35 34.2,35.457 34.43,35.687 v1(34.925,35.687)
  other v1: 15.109,5.538 44.749,5.573 50.658,7.161 36.501,7.367 37.323,7.796 52.436,8.558 3.922,9.32 7.732,9.32 13.701,11.86 43.673,13.13 32.708,21.658 12.901,22.846 15.324,22.889 41.895,23.036 37.323,24.052 44.435,24.179 45.07,24.179 15.225,28.116 16.203,28.18 17.257,28.243 53.706,28.243 20.574,28.702 22.606,28.702 27.913,28.709 29.564,28.836 30.58,28.836 31.342,28.836 27.913,29.852 29.437,29.852 30.326,29.852 31.088,29.852 44.816,30.148 23.226,30.402 18.146,30.656 19.035,30.656 21.441,30.712 28.04,31.376 29.437,31.376 30.326,31.376 31.088,31.376 21.41,33.387 17.765,34.212 18.908,34.339 17.638,35.228 7.732,36.371 9.764,36.371 42.276,36.625 3.414,36.752 45.085,37.592 28.814,37.768 7.605,38.022 9.891,38.022 3.414,38.657 20.686,39.927 29.538,42.658 13.574,42.975 43.673,42.975 33.729,44.421 12.647,46.341 2.017,50.341 2.017,52.5 47.37,54.841
  other v2: 41.91,23.622
NetC32_1: C32.1 R8.2 R9.1 U4.5 | length 6.6
  Bottom Layer w0.305: U4.5@42.669,55.56 43.754,55.56 43.942,55.372 43.942,52.403 43.912,52.372 43.912,51.308 C32.1@43.912,50.165
NetC38_2: C38.2 DOWN1.8 | length 4
  Top Layer w0.305: C38.2@17,41.29 17.092,41.381 17.618,41.381 17.797,41.56 17.797,42.582 17.797,43.483 DOWN1.8@17,44.28
NetC39_2: C39.2 DOWN1.9 | length 4
  Top Layer w0.305: 18.203,42.75 18.203,41.56 18.382,41.381 18.909,41.381 C39.2@19,41.29 ; 18.203,42.75 18.203,43.483 DOWN1.9@19,44.28
NetC40_2: C40.2 DOWN2.8 | length 4.2
  Top Layer w0.305: C40.2@17,11.064 17.092,11.155 17.618,11.155 17.797,11.334 17.797,12.469 17.797,13.483 DOWN2.8@17,14.28
NetC41_2: C41.2 DOWN2.9 | length 4.2
  Top Layer w0.305: C41.2@19,11.064 18.909,11.155 18.382,11.155 18.203,11.334 18.203,12.637 18.203,13.483 DOWN2.9@19,14.28
NetC42_2: C42.2 DOWN3.8 | length 4.1
  Top Layer w0.305: C42.2@47,11.191 47.092,11.282 47.618,11.282 47.797,11.461 47.797,12.532 47.797,13.483 DOWN3.8@47,14.28
  other v1: 47.229,14.527
NetC43_2: C43.2 DOWN3.9 | length 4.1
  Top Layer w0.305: 48.203,12.701 48.203,11.461 48.382,11.282 48.909,11.282 C43.2@49,11.191 ; 48.203,12.701 48.203,13.483 DOWN3.9@49,14.28
NetC44_2: C44.2 DOWN4.8 | length 4
  Top Layer w0.305: C44.2@47,41.29 47.092,41.381 47.618,41.381 47.797,41.56 47.797,42.582 47.797,43.483 DOWN4.8@47,44.28
NetC45_2: C45.2 DOWN4.9 | length 4
  Top Layer w0.305: 48.203,42.75 48.203,41.56 48.382,41.381 48.909,41.381 C45.2@49,41.29 ; 48.203,42.75 48.203,43.483 DOWN4.9@49,44.28
NetD2_K: D2.K R10.2 | length 1.4
  Top Layer w0.152: R10.2@3.556,45.07 4.833,45.07 D2.K@4.953,44.95
NetD3_K: D3.K R11.2 | length 1.5
  Top Layer w0.203: D3.K@55,14.851 56.38,14.851 R11.2@56.5,14.971
NetD4_K: D4.K R12.2 | length 1.3
  Top Layer w0.152: R12.2@3.81,15.098 3.93,14.978 D4.K@5.08,14.978
NetD5_K: D5.K R13.2 | length 1.5
  Top Layer w0.152: D5.K@55,46.363 56.38,46.363 R13.2@56.5,46.243
NetF1_2: F1.2 LB3.2
  other v1: 41.782,51.245 41.783,51.943 41.655,52.896 42.417,52.896
NetLB4_1: LB4.1 U4.3
  other v1: 46.227,53.277 44.577,53.34 44.577,53.848 46.227,53.912
NetR14_2: R14.2 U8.3 | length 8.4
  Top Layer w0.254: R14.2@36.322,24.877 36.322,22.479 37.211,21.59 39.925,21.59 40.64,22.305 U8.3@40.64,23.305
NetR15_1: R15.1 U8.7 | length 2.9
  Top Layer w0.254: U8.7@39.37,31.305 39.37,32.211 39.53,32.371 39.672,32.371 39.692,32.391 39.757,32.391 40.513,33.147 40.655,33.147 R15.1@40.909,33.401
OVCUR1#: R17.2 U6.78 U9.2 | length 57.6
  Top Layer w0.152: v2(29.591,33.528) 29.8,33.737 U6.78@29.8,35
  Bottom Layer w0.152: U9.2@9.5,30.635 9,30.635 8.128,31.507 8.128,33.035 R17.2@8.367,33.274 5.842,35.799 5.842,47.371 6.731,48.26 9.525,48.26 10.795,46.99 18.796,46.99 19.812,48.006 22.479,48.006 24.511,45.974 24.511,35.814 27.086,33.239 29.238,33.239 29.527,33.528 v2(29.591,33.528)
OVCUR2#: R18.2 U6.45 U9.3 | length 37.9
  Top Layer w0.203: v2@34.417,24.13 34.544,24.13 35,24.586 U6.45@35,25.8
  Bottom Layer w0.203: U9.3@9.5,29.365 6.378,29.365 6.096,29.083 6.096,25.654 7.685,24.065 v2(34.414,24.065)